# Altium PCB 小车PCB升级1.PcbDoc (part 2 of 4)
Units mm, origin at the board's own origin, x right, y up, seen from the top; angles counter-clockwise.
Board outline 300 x 206 mm, 2 copper layers (Top Layer, Bottom Layer); 354 components, 360 nets, 1479 pads, 401 vias.
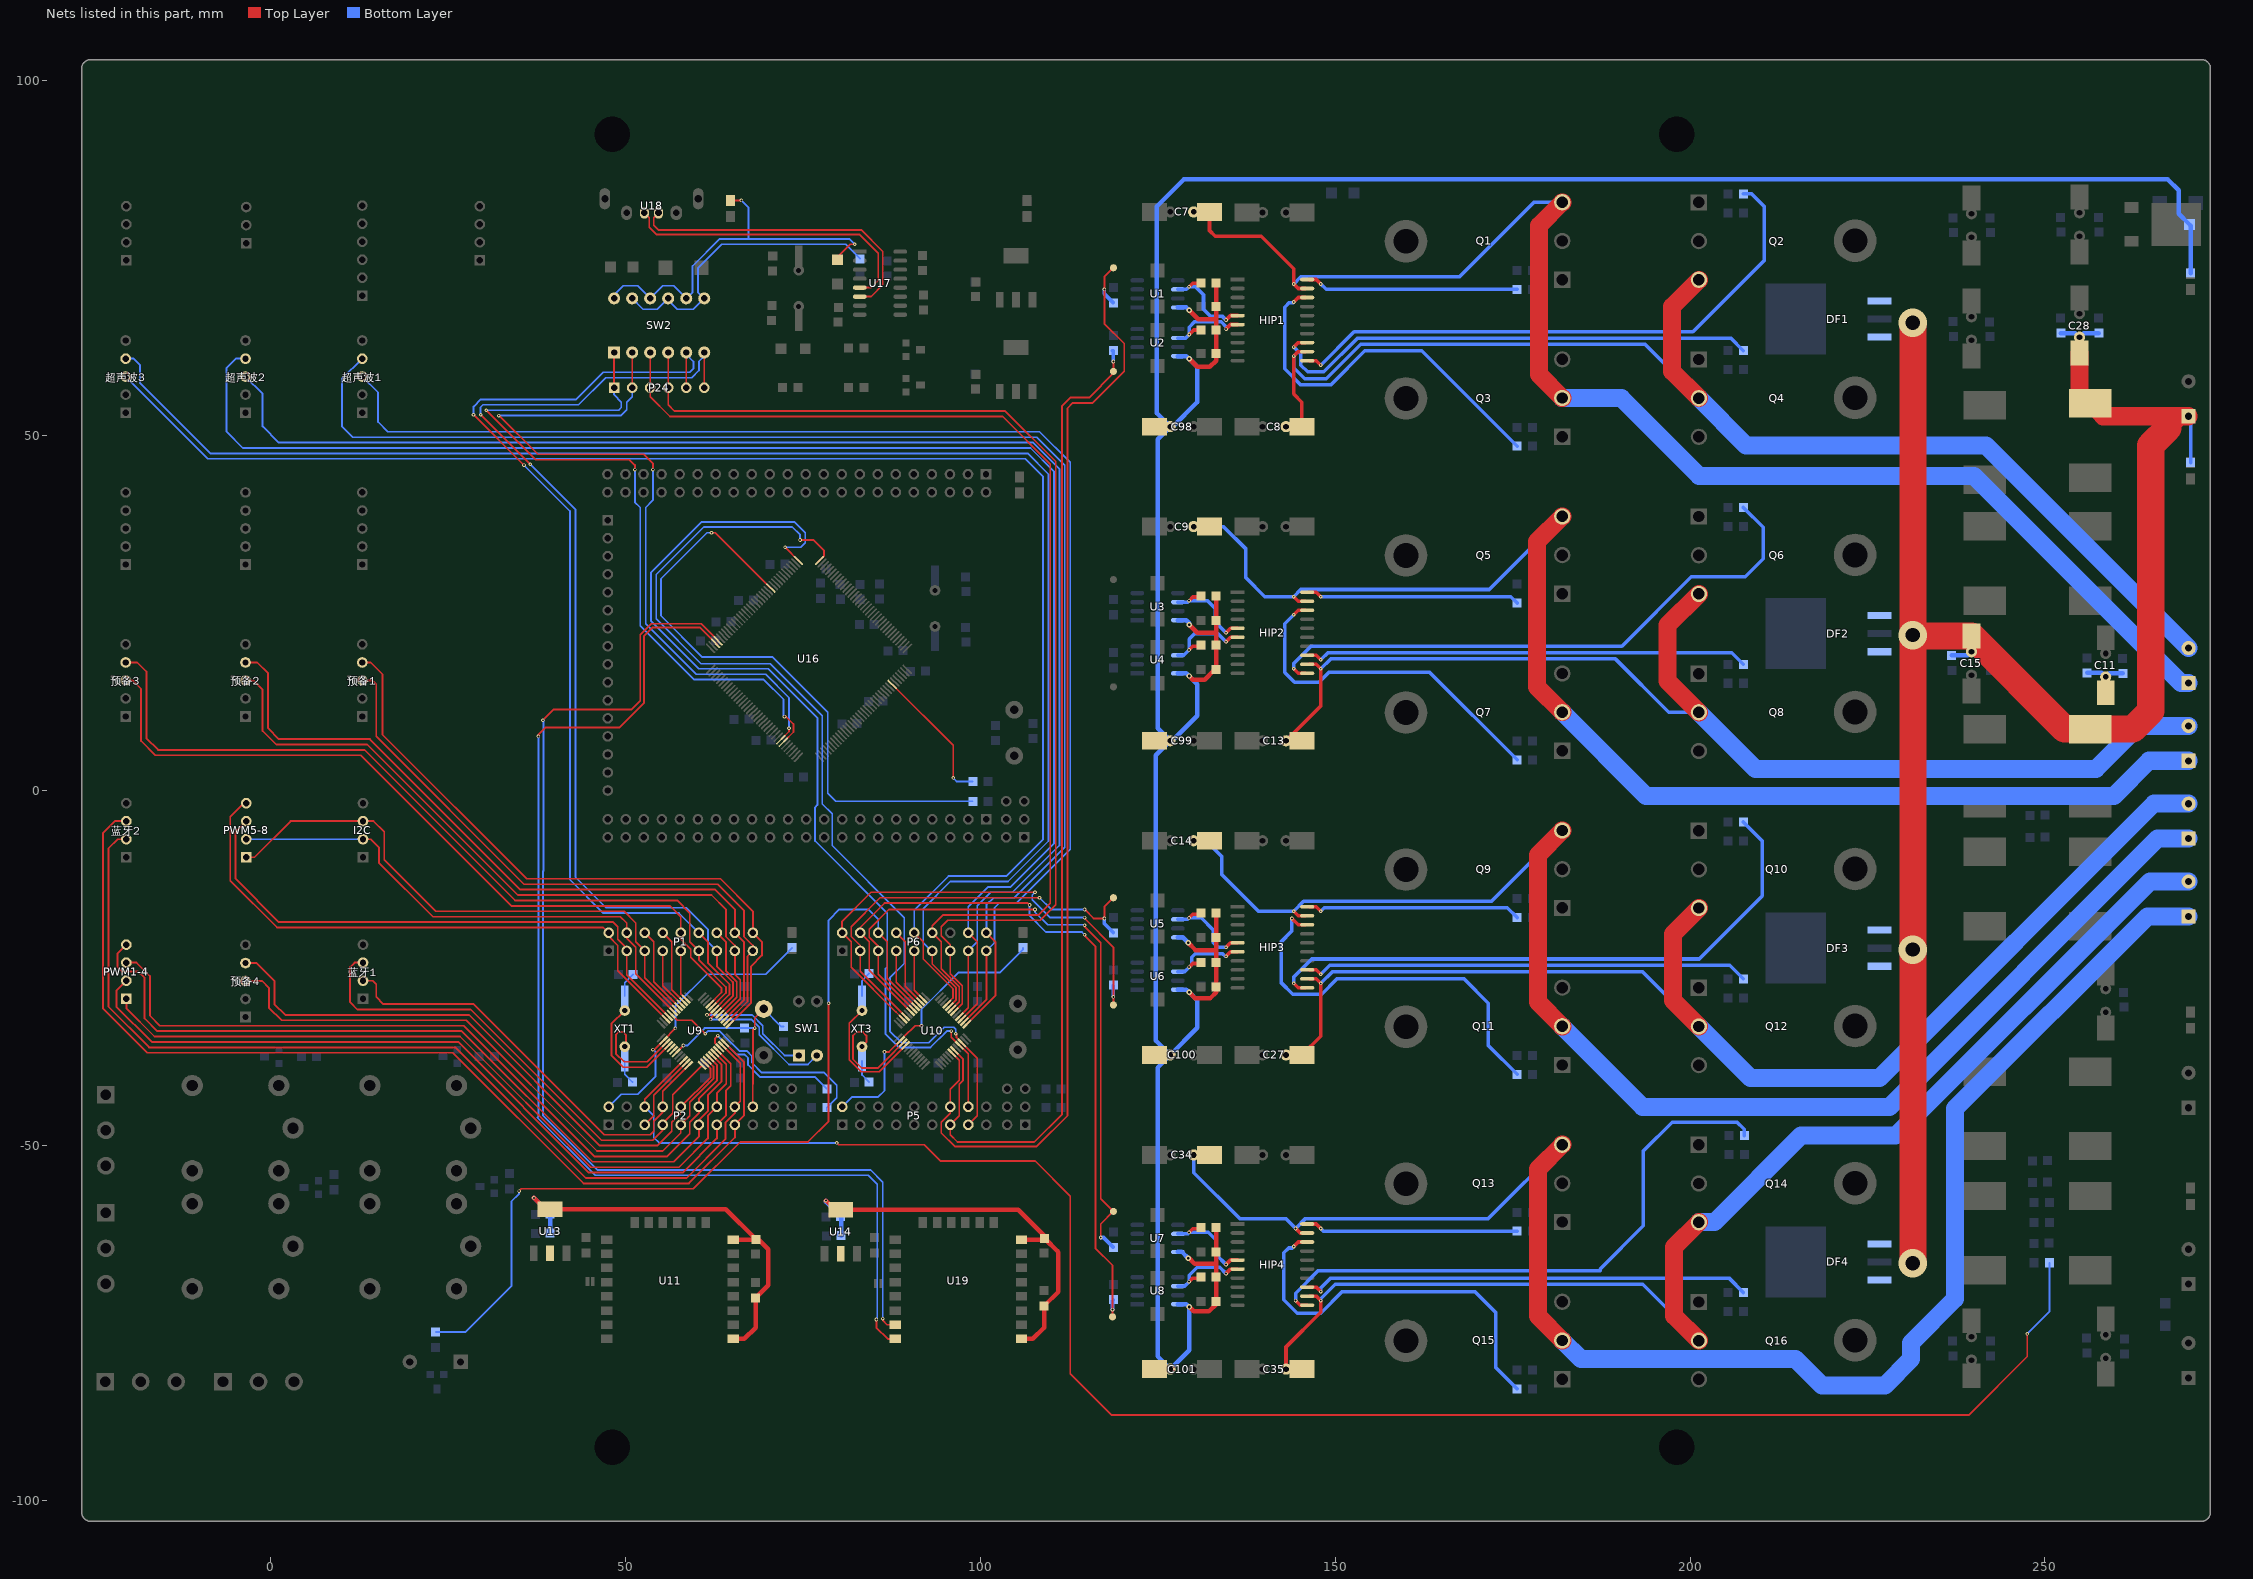
[diagram p2: the nets of this part, all layers, seen from the top]

## Via types
v1: diameter 0.508, hole 0.254, Top Layer to Bottom Layer, 231 vias
v2: diameter 0.762, hole 0.381, Top Layer to Bottom Layer, 119 vias
v3: diameter 3, hole 1.5, Top Layer to Bottom Layer, 29 vias
v4: diameter 6, hole 6, Top Layer to Bottom Layer, 8 vias
v5: diameter 4, hole 2, Top Layer to Bottom Layer, 8 vias
v6: diameter 1.27, hole 0.635, Top Layer to Bottom Layer, 2 vias
v7: diameter 0.381, hole 0.203, Top Layer to Bottom Layer, 1 vias
v8: diameter 2, hole 1, Top Layer to Bottom Layer, 1 vias
v9: diameter 0.762/0.635 (per signal layer), hole 0.381, Top Layer to Bottom Layer, 1 vias
v10: diameter 0.406, hole 0.203, Top Layer to Bottom Layer, 1 vias

## Nets (pads, with @x,y where several pads share a name; then routed paths per layer and width w, separated by ;. In a path a pad name is that pad's centre, name@x,y a point inside that pad or via, vN(x,y) a via of type N, cw(c..) or ccw(c..) an arc to the next point about the centre after c; other vN are vias at no path point) (continued)
1PA9: P6.13 P24.4 SW2.4 U10.30 | length 158.8
  Top Layer w0.254: SW2.4@56.007,61.722 P24.4@56.007,56.769 56.007,54.356 56.896,53.467 103.505,53.467 110.617,46.355 110.617,-16.129 108.458,-18.288 95.377,-18.288 94.488,-19.177 94.488,-20.447 95.758,-21.717 P6.13@95.758,-22.606 95.758,-25.835 97.434,-27.511 97.434,-30.056 U10.30@96.324,-31.166
1PA10: P6.12 P24.3 SW2.3 U10.31 | length 160.1
  Top Layer w0.254: SW2.3@53.467,61.722 P24.3@53.467,56.769 53.467,55.499 56.261,52.705 103.124,52.705 109.855,45.974 109.855,-15.87 108.199,-17.526 94.742,-17.526 93.218,-19.05 P6.12@93.218,-20.066 94.488,-21.336 94.488,-25.14 97.028,-27.68 97.028,-29.755 U10.31@95.971,-30.812
1PA11: P6.11 U10.32 超声波3.4 | length 227.8
  Top Layer w0.254: P6.11@93.218,-22.606 93.218,-24.444 96.571,-27.797 96.571,-29.505 U10.32@95.617,-30.459
  Bottom Layer w0.254: 超声波3.4@-20.453,60.859 -19.33,60.859 -18.415,59.944 -18.415,57.404 -8.509,47.498 106.68,47.498 109.601,44.577 109.601,-7.112 103.886,-12.827 95.758,-12.827 91.948,-16.637 91.948,-21.463 93.091,-22.606 P6.11@93.218,-22.606
1PA12: P6.10 U10.33 超声波3.3 | length 224.4
  Top Layer w0.254: P6.10@90.678,-20.066 91.948,-21.336 91.948,-23.749 96.139,-27.94 96.139,-29.23 U10.33@95.264,-30.105
  Bottom Layer w0.254: 超声波3.3@-20.447,58.332 -8.851,46.736 106.299,46.736 108.839,44.196 108.839,-6.858 103.632,-12.065 95.504,-12.065 90.678,-16.891 P6.10@90.678,-20.066
1PA15: P6.9 U10.38 | length 7.3
  Top Layer w0.254: P6.9@90.678,-22.606 90.678,-28.136 U10.38@91.94,-29.398
1PB0: P5.14 R1.1 T3.1 U10.18 | length 161.7
  Top Layer w0.254: U10.18@95.971,-36.964 97.028,-38.022 97.028,-40.822 95.758,-42.092 P5.14@95.758,-44.577 95.758,-45.466 94.488,-46.736 94.488,-48.26 96.388,-50.16 107.95,-50.16 112.268,-45.842 112.268,53.848 113.03,54.61 115.824,54.61 120.269,59.055 120.269,62.992 117.475,65.786 v1(117.475,70.612) 117.475,72.39 T3.1@118.745,73.66
  Bottom Layer w0.508: v1(117.475,70.612) 117.475,69.977 R1.1@118.745,68.707
1PB1: P5.13 R18.1 T4.1 U10.19 | length 143.3
  Top Layer w0.254: U10.19@96.324,-36.611 97.536,-37.823 97.536,-40.889 97.028,-41.397 97.028,-45.847 P5.13@95.758,-47.117 95.758,-48.514 96.774,-49.53 107.569,-49.53 111.506,-45.593 111.506,54.229 112.649,55.372 115.316,55.372 118.745,58.801 T4.1@118.745,59.055 v1(118.745,60.452)
  Bottom Layer w0.508: v1(118.745,60.452) 118.745,61.849 118.618,61.976 R18.1@118.745,61.976
1PB3: P6.8 U10.39 | length 11.1
  Top Layer w0.254: P6.8@88.138,-20.066 89.408,-21.336 89.408,-27.573 U10.39@91.587,-29.752
1PB4: P6.7 U10.40 | length 8.8
  Top Layer w0.254: P6.7@88.138,-22.606 88.138,-27.01 U10.40@91.233,-30.105
1PB5: P6.6 R82.1 U10.41 | length 125.9
  Top Layer w0.254: v1(34.989,-56.451) 35.306,-56.134 59.563,-56.134 66.167,-49.53 75.692,-49.53 78.613,-46.609 v1(78.613,-29.972) ; P6.6@85.598,-20.066 86.868,-21.336 86.868,-26.447 U10.41@90.879,-30.459
  Bottom Layer w0.254: R82.1@23.241,-76.327 27.432,-76.327 33.909,-69.85 33.909,-57.912 34.989,-56.832 v1(34.989,-56.451) ; v1(78.613,-29.972) 78.613,-18.288 80.137,-16.764 84.201,-16.764 85.598,-18.161 P6.6@85.598,-20.066
1PB6: P6.5 R53.1 T8.1 U10.42 | length 95.3
  Top Layer w0.254: U10.42@90.526,-30.812 85.598,-25.885 P6.5@85.598,-22.606 85.598,-21.971 84.328,-20.701 84.328,-19.558 87.122,-16.764 v1(107.696,-16.764) ; v1(114.681,-18.986) 114.681,-19.177 116.967,-21.463 116.967,-57.531 T8.1@118.745,-59.309 116.967,-61.087 v1(116.967,-62.992)
  Bottom Layer w0.254: v1(107.696,-16.764) 107.696,-17.145 109.474,-18.923 114.617,-18.923 v1(114.681,-18.986)
  Bottom Layer w0.508: v1(116.967,-62.992) 117.348,-62.992 R53.1@118.745,-64.389
1PB7: P6.4 R66.1 T7.1 U10.43 | length 107.5
  Top Layer w0.254: U10.43@90.172,-31.166 84.328,-25.322 84.328,-21.336 P6.4@83.058,-20.066 83.058,-19.304 86.487,-15.875 106.68,-15.875 v1(106.934,-16.129) ; v1(114.681,-20.32) 114.681,-20.447 116.205,-21.971 116.205,-64.516 118.618,-66.929 v1(118.618,-73.152) T7.1@118.618,-74.168
  Bottom Layer w0.254: v1(106.934,-16.129) 106.934,-17.653 109.22,-19.939 114.3,-19.939 v1(114.681,-20.32)
  Bottom Layer w0.508: v1(118.618,-73.152) 118.618,-71.882 R66.1@118.745,-71.755
1PB8: P6.3 R37.1 T6.1 U10.45 | length 60.5
  Top Layer w0.254: U10.45@89.465,-31.873 83.058,-25.466 P6.3@83.058,-22.606 83.058,-21.844 81.788,-20.574 81.788,-19.177 85.852,-15.113 v1(108.331,-15.113) ; v1(114.681,-16.764) 115.951,-18.034 v1(117.475,-18.034) 117.475,-16.383 T6.1@118.745,-15.113
  Bottom Layer w0.254: v1(108.331,-15.113) 109.982,-16.764 v1(114.681,-16.764)
  Bottom Layer w0.508: v1(117.475,-18.034) 117.475,-18.796 R37.1@118.745,-20.066
1PB9: P6.2 R50.1 T5.1 U10.46 | length 71.7
  Top Layer w0.254: U10.46@89.112,-32.227 89.112,-32.222 88.105,-31.215 88.1,-31.215 81.788,-24.903 81.788,-21.336 P6.2@80.518,-20.066 80.518,-18.415 84.582,-14.351 v1(107.696,-14.351) ; v1(114.681,-17.907) 114.681,-18.034 118.745,-22.098 v1(118.745,-29.083) T5.1@118.745,-30.099
  Top Layer w0.508: T5.1@118.745,-30.226 118.872,-30.226 T5.1@118.745,-30.099
  Bottom Layer w0.254: v1(107.696,-14.351) 107.315,-14.732 107.315,-15.367 109.855,-17.907 v1(114.681,-17.907)
  Bottom Layer w0.508: v1(118.745,-29.083) R50.1@118.745,-27.432
1PB10: P5.16 U10.21 U16.37 | length 140.1
  Top Layer w0.254: v1(72.473,34.29) U16.37@74.351,32.412 ; v1(95.885,-33.909) 95.885,-34.757 U10.21@97.031,-35.904 97.118,-35.904 98.298,-37.084 P5.16@98.298,-44.577
  Bottom Layer w0.254: v1(72.473,34.29) 74.676,34.29 75.311,34.925 75.311,36.322 73.787,37.846 60.706,37.846 53.594,30.734 53.594,23.876 60.325,17.145 70.104,17.145 77.025,10.223 77.025,-2.032 76.708,-2.349 76.708,-7.112 86.868,-17.272 86.868,-24.892 86.614,-25.146 86.614,-34.29 88.519,-36.195 92.972,-36.195 95.258,-33.909 v1(95.885,-33.909)
1PB11: P5.15 U10.22 U16.36 | length 141.8
  Top Layer w0.254: v1(74.593,35.306) 76.454,35.306 77.978,33.782 77.978,33.064 U16.36@77.326,32.412 U16.36@77.147,32.233 ; v1(96.52,-34.29) 96.619,-34.29 96.633,-34.304 96.633,-34.798 U10.22@97.385,-35.55 99.568,-37.733 99.568,-45.847 P5.15@98.298,-47.117
  Bottom Layer w0.254: v1(74.593,35.306) 74.593,36.024 73.489,37.128 61.004,37.128 54.312,30.436 54.312,24.174 60.622,17.864 70.401,17.864 77.724,10.541 77.724,-1.905 79.121,-3.302 79.121,-7.747 89.281,-17.907 89.281,-24.384 87.249,-26.416 87.249,-33.909 88.9,-35.56 92.71,-35.56 94.894,-33.376 96.241,-33.376 96.52,-33.655 v1(96.52,-34.29)
1PB12: P6.18 U10.25 超声波1.4 | length 202.7
  Top Layer w0.254: U10.25@98.092,-32.934 102.108,-28.918 102.108,-21.336 P6.18@100.838,-20.066
  Bottom Layer w0.254: 超声波1.4@12.89,60.859 10.033,58.002 10.033,51.308 11.557,49.784 107.95,49.784 111.887,45.847 111.887,-8.001 104.775,-15.113 101.854,-15.113 100.838,-16.129 P6.18@100.838,-20.066 P6.18@101.473,-20.066
1PB13: P6.17 U10.26 超声波1.3 | length 193.6
  Top Layer w0.254: U10.26@97.738,-32.58 100.838,-29.481 P6.17@100.838,-22.606
  Bottom Layer w0.254: 超声波1.3@12.896,58.332 15.113,56.115 15.113,51.943 16.51,50.546 108.331,50.546 112.649,46.228 112.649,-8.255 105.029,-15.875 102.616,-15.875 101.981,-16.51 101.981,-21.463 P6.17@100.838,-22.606
1PB14: P6.16 U10.27 超声波2.4 | length 216.6
  Top Layer w0.254: U10.27@97.385,-32.227 99.568,-30.043 99.568,-21.336 P6.16@98.298,-20.066
  Bottom Layer w0.254: 超声波2.4@-3.577,60.859 -4.927,60.859 -6.223,59.563 -6.223,50.546 -3.937,48.26 107.061,48.26 110.363,44.958 110.363,-7.493 104.267,-13.589 101.092,-13.589 98.298,-16.383 P6.16@98.298,-20.066
1PB15: P6.15 U10.28 超声波2.3 | length 207.6
  Top Layer w0.254: U10.28@97.031,-31.873 98.298,-30.606 P6.15@98.298,-22.606
  Bottom Layer w0.254: 超声波2.3@-3.571,58.332 -1.143,55.903 -1.143,51.308 1.143,49.022 107.442,49.022 111.125,45.339 111.125,-7.747 104.521,-14.351 101.473,-14.351 99.568,-16.256 99.568,-21.336 P6.15@98.298,-22.606
1PC13: P5.2 R70.2 U10.2 | length 38.8
  Top Layer w0.254: v1(86.487,-36.83) 87.125,-36.83 U10.2@88.758,-35.196 ; U10.2@89.223,-34.729 90.805,-33.147 v1(91.694,-33.147)
  Bottom Layer w0.254: P5.2@80.518,-44.577 81.915,-43.18 85.598,-43.18 86.487,-42.291 v1(86.487,-36.83) ; v1(91.694,-33.147) 91.694,-30.861 96.901,-25.654 102.743,-25.654 106.015,-22.382 R70.2@106.015,-22.15
1PC14: C49.2 U10.3 XT3.1 | length 20
  Top Layer w0.254: XT3.1@83.312,-36.093 83.934,-35.471 83.934,-34.531 83.439,-34.036 82.55,-34.036 82.042,-34.544 82.042,-37.846 83.312,-39.116 85.546,-39.116 87.578,-37.084 87.589,-37.084 87.887,-36.786 87.887,-36.775 U10.3@89.112,-35.55
  Bottom Layer w0.254: XT3.1@83.312,-38.075 83.312,-40.081 C49.2@84.328,-41.097
1PC15: C55.2 U10.4 XT3.2 | length 21.5
  Top Layer w0.254: XT3.2@83.312,-31.013 81.509,-32.817 81.509,-37.948 83.185,-39.624 85.745,-39.624 U10.4@89.465,-35.904
  Bottom Layer w0.254: XT3.2@83.312,-29.007 83.312,-26.797 C55.2@84.328,-25.781
1W2PA9: P1.13 P24.6 SW1.2 SW2.6 U9.30 | length 168.4
  Top Layer w0.254: v1(29.591,52.959) v1(36.576,45.974) ; P24.6@61.087,56.769 SW2.6@61.087,61.722 ; v1(61.976,-32.258) 61.976,-32.113 U9.30@62.923,-31.166 65.151,-28.938 65.151,-27.051 65.08,-26.98 65.068,-26.98 62.865,-24.777 P1.13@62.865,-22.606
  Bottom Layer w0.254: v1(29.591,52.959) 29.558,52.992 29.558,54.008 29.907,54.356 43.369,54.356 47.179,58.166 59.309,58.166 60.325,59.182 60.325,60.452 61.087,61.214 SW2.6@61.087,61.722 ; v1(36.576,45.974) 42.926,39.624 42.926,-12.192 47.244,-16.51 58.547,-16.51 61.595,-19.558 61.595,-21.336 P1.13@62.865,-22.606 ; v1(61.976,-32.258) 67.734,-32.258 68.834,-33.358 68.834,-34.412 73.03,-38.608 75.692,-38.608 SW1.2@76.962,-37.338
1W2PA10: P1.12 P24.5 SW1.1 SW2.5 U9.31 | length 165.2
  Top Layer w0.254: v1(28.575,52.959) v1(35.687,45.847) ; P24.5@58.547,56.769 SW2.5@58.547,61.722 ; P1.12@60.325,-20.066 61.595,-21.336 61.595,-24.257 64.643,-27.305 64.643,-28.739 U9.31@62.57,-30.812 61.759,-31.623 v1(61.468,-31.623)
  Bottom Layer w0.254: v1(28.575,52.959) 28.575,54.102 29.591,55.118 43.053,55.118 46.863,58.928 59.055,58.928 59.563,59.436 59.563,60.452 58.547,61.468 SW2.5@58.547,61.722 ; v1(35.687,45.847) 42.164,39.37 42.164,-12.573 46.863,-17.272 57.531,-17.272 P1.12@60.325,-20.066 ; v1(61.468,-31.623) 67.818,-31.623 69.342,-33.147 69.342,-34.29 72.39,-37.338 SW1.1@74.422,-37.338
1WPA9: P24.2 SW2.2 U16.101 | length 105
  Top Layer w0.254: v1(32.131,52.832) 32.131,52.894 37.654,47.371 52.578,47.371 53.848,46.101 v1(53.848,45.212) ; P24.2@50.927,56.769 SW2.2@50.927,61.722 ; U16.101@72.056,7.342 73.025,8.312 v1(73.025,8.763)
  Bottom Layer w0.254: v1(32.131,52.832) 49.338,52.832 50.165,53.659 50.165,54.737 50.927,55.499 P24.2@50.927,56.769 ; v1(53.848,45.212) 53.848,40.894 52.832,39.878 52.832,23.495 59.944,16.383 69.723,16.383 73.025,13.081 v1(73.025,8.763)
1WPA10: P24.1 SW2.1 U16.102 | length 106
  Top Layer w0.254: v1(30.353,53.594) 37.338,46.609 50.546,46.609 51.308,45.847 v1(51.308,45.212) ; P24.1@48.387,56.769 SW2.1@48.387,61.722 ; v1(72.39,10.414) 72.6,10.414 73.66,9.354 73.66,8.24 U16.102@72.409,6.989
  Bottom Layer w0.254: v1(30.353,53.594) 49.022,53.594 49.403,53.975 49.403,54.737 48.387,55.753 P24.1@48.387,56.769 ; v1(51.308,45.212) 51.308,40.64 52.07,39.878 52.07,23.241 59.69,15.621 69.469,15.621 72.263,12.827 72.263,10.541 v1(72.39,10.414)
1WRXD: R93.1 SW2.7 SW2.9 SW2.11 | length 42.9
  Top Layer w0.508: SW2.9@56.007,68.961 SW2.9@56.007,69.342
  Bottom Layer w0.254: SW2.11@50.927,69.342 52.451,67.818 54.483,67.818 SW2.9@56.007,69.342 56.007,69.088 57.277,67.818 59.563,67.818 SW2.7@61.087,69.342 60.198,70.231 60.198,73.598 63.562,76.962 81.017,76.962 R93.1@83.058,74.921
1WTXD: D10.1 LED11.2 SW2.8 SW2.10 SW2.12 | length 55.3
  Top Layer w0.254: SW2.12@48.387,69.342 SW2.12@48.387,69.85 ; SW2.8@58.547,69.469 SW2.8@58.547,69.342 SW2.8@59.182,69.342 ; LED11.2@64.795,83.16 v1(66.319,83.16) ; D10.1@79.883,74.803 79.883,75.184 81.661,76.962 v1(82.296,76.962)
  Bottom Layer w0.254: SW2.12@48.387,69.342 48.387,69.85 49.657,71.12 51.689,71.12 SW2.10@53.467,69.342 55.245,71.12 56.769,71.12 SW2.8@58.547,69.342 59.436,70.231 59.436,73.914 63.246,77.724 67.31,77.724 ; v1(66.319,83.16) 67.31,82.169 67.31,77.724 ; v1(82.296,76.962) 81.534,77.724 67.31,77.724
2BOOT0: R76.2 U9.44 | length 32.5
  Top Layer w0.254: U9.44@56.418,-31.52 57.283,-32.385 59.309,-32.385 v1(61.214,-34.29)
  Bottom Layer w0.254: v1(61.214,-34.29) 61.595,-33.909 63.246,-33.909 66.04,-36.703 67.056,-36.703 67.818,-37.465 67.818,-38.354 69.215,-39.751 77.978,-39.751 79.756,-41.529 79.756,-43.307 R76.2@78.359,-44.704 R76.2@78.359,-45.085
2BOOT1: R77.1 U9.20 | length 21.2
  Top Layer w0.254: v1(62.992,-34.544) 62.611,-34.925 62.611,-35.591 U9.20@63.277,-36.257
  Bottom Layer w0.254: v1(62.992,-34.544) 65.659,-37.211 66.802,-37.211 67.246,-37.655 67.246,-38.672 68.961,-40.386 76.708,-40.386 R77.1@78.359,-42.037
2NRST: C51.1 key1.1 P2.18 R74.1 U9.7 | length 30.8
  Top Layer w0.254: U9.7@57.125,-36.964 v1(58.148,-35.941) ; P2.18@67.945,-44.577 67.92,-44.552 67.92,-41.382 67.945,-41.357 67.945,-37.925 67.94,-37.919 67.94,-36.653 67.945,-36.647 67.945,-33.731 v1(68.199,-33.477) 68.199,-32.056 key1.1@69.469,-30.786
  Bottom Layer w0.254: v1(58.148,-35.941) 58.674,-35.941 61.138,-33.477 C51.1@66.751,-33.477 v1(68.199,-33.477) ; key1.1@69.469,-30.786 71.957,-33.274 R74.1@72.263,-33.274
2OSCIN: U9.5
2OSCOUT: U9.6
2PA0: P2.6 R72.2 U9.10 | length 256.1
  Top Layer w0.254: P2.6@52.705,-44.577 52.705,-43.505 U9.10@58.186,-38.025 ; v1(79.756,-49.657) 80.01,-49.911 92.075,-49.911 94.361,-52.197 107.696,-52.197 112.649,-57.15 112.649,-82.169 118.491,-88.011 239.268,-88.011 247.523,-79.756 v1(247.523,-76.581)
  Bottom Layer w0.254: P2.6@52.705,-44.577 53.975,-45.847 53.975,-48.895 54.737,-49.657 v1(79.756,-49.657) v1@79.883,-49.657 ; v1(247.523,-76.581) 250.638,-73.466 R72.2@250.638,-66.548
2PA1: P2.5 U9.11 | length 11.2
  Top Layer w0.254: P2.5@52.705,-47.117 53.975,-45.847 53.975,-42.943 U9.11@58.539,-38.378
2PA2: P2.8 U9.12 蓝牙1.2 | length 62.5
  Top Layer w0.254: 蓝牙1.2@12.996,-26.797 14.351,-26.797 14.859,-27.305 14.859,-29.083 15.875,-30.099 28.575,-30.099 46.99,-48.514 53.467,-48.514 53.975,-48.006 53.975,-46.609 55.245,-45.339 P2.8@55.245,-44.577 55.245,-42.38 U9.12@58.893,-38.732
2PA3: P2.7 U9.13 蓝牙1.3 | length 71.2
  Top Layer w0.254: 蓝牙1.3@12.996,-24.257 11.811,-24.257 11.176,-24.892 11.176,-29.845 12.192,-30.861 28.194,-30.861 46.609,-49.276 53.848,-49.276 55.245,-47.879 P2.7@55.245,-47.117 55.245,-46.863 56.642,-45.466 56.642,-42.892 U9.13@60.802,-38.732
2PA4: P2.10 U9.14 预备4.4 | length 85.7
  Top Layer w0.254: 预备4.4@-3.562,-24.315 -1.974,-24.315 0.508,-26.797 0.508,-30.099 2.032,-31.623 27.94,-31.623 46.355,-50.038 54.483,-50.038 56.515,-48.006 56.515,-46.736 57.785,-45.466 P2.10@57.785,-44.577 61.976,-40.386 61.976,-39.199 U9.14@61.155,-38.378
2PA5: P2.9 U9.15 预备4.3 | length 86.5
  Top Layer w0.254: 预备4.3@-3.556,-26.842 -1.225,-26.842 -0.254,-27.813 -0.254,-30.607 1.524,-32.385 27.559,-32.385 45.974,-50.8 55.245,-50.8 57.785,-48.26 P2.9@57.785,-47.117 59.055,-45.847 59.055,-43.942 62.382,-40.615 62.382,-38.898 U9.15@61.509,-38.025
2PA6: P2.12 PWM1-4.3 U9.16 | length 108
  Top Layer w0.254: PWM1-4.3@-20.347,-24.257 -18.923,-24.257 -17.018,-26.162 -17.018,-31.75 -15.621,-33.147 27.178,-33.147 45.593,-51.562 55.88,-51.562 59.055,-48.387 59.055,-46.736 60.325,-45.466 P2.12@60.325,-44.577 60.325,-43.434 62.865,-40.894 62.865,-38.674 U9.16@61.863,-37.671
2PA7: P2.11 PWM1-4.4 U9.17 | length 115.1
  Top Layer w0.254: PWM1-4.4@-20.347,-21.717 -21.59,-22.96 -21.59,-24.892 -20.955,-25.527 -18.669,-25.527 -17.78,-26.416 -17.78,-32.131 -16.002,-33.909 26.924,-33.909 45.339,-52.324 56.769,-52.324 60.325,-48.768 P2.11@60.325,-47.117 60.325,-46.482 61.595,-45.212 61.595,-42.926 63.5,-41.021 63.5,-38.602 U9.17@62.216,-37.318
2PA8: P1.14 U9.29 | length 13.6
  Top Layer w0.254: P1.14@62.865,-20.066 64.135,-21.336 64.135,-25.4 65.659,-26.924 65.659,-29.137 U9.29@63.277,-31.52
2PA11: P1.11 U9.32 预备3.4 | length 115.7
  Top Layer w0.254: 预备3.4@-20.453,18.041 -18.803,18.041 -17.526,16.764 -17.526,7.366 -15.875,5.715 13.208,5.715 34.417,-15.494 57.277,-15.494 59.055,-17.272 59.055,-21.336 P1.11@60.325,-22.606 60.325,-23.876 64.137,-27.688 64.137,-28.538 U9.32@62.216,-30.459
2PA12: P1.10 U9.33 预备3.3 | length 111.7
  Top Layer w0.254: 预备3.3@-20.447,15.513 -19.45,15.513 -18.288,14.351 -18.288,6.985 -16.256,4.953 12.7,4.953 33.909,-16.256 56.261,-16.256 57.785,-17.78 P1.10@57.785,-20.066 57.785,-20.955 59.182,-22.352 59.182,-23.495 63.5,-27.813 63.5,-28.468 U9.33@61.863,-30.105
2PA15: P1.9 U9.38 | length 7.1
  Top Layer w0.254: P1.9@57.785,-22.606 57.785,-28.644 U9.38@58.539,-29.398
2PB0: P2.14 PWM1-4.1 U9.18 | length 108.1
  Top Layer w0.254: PWM1-4.1@-20.347,-29.337 -20.347,-30.707 -16.383,-34.671 26.67,-34.671 45.085,-53.086 57.531,-53.086 61.595,-49.022 61.595,-45.847 P2.14@62.865,-44.577 62.865,-42.672 64.198,-41.338 64.198,-38.593 U9.18@62.57,-36.964
2PB1: P2.13 PWM1-4.2 U9.19 | length 114.6
  Top Layer w0.254: PWM1-4.2@-20.347,-26.797 -21.744,-28.194 -21.744,-30.453 -16.764,-35.433 26.416,-35.433 44.831,-53.848 58.039,-53.848 62.865,-49.022 P2.13@62.865,-47.117 64.135,-45.847 64.135,-42.291 64.833,-41.593 64.833,-38.521 U9.19@62.923,-36.611
2PB3: P1.8 U9.39 | length 10.9
  Top Layer w0.254: P1.8@55.245,-20.066 56.515,-21.336 56.515,-28.081 U9.39@58.186,-29.752
2PB4: P1.7 U9.40 | length 8.6
  Top Layer w0.254: P1.7@55.245,-22.606 55.245,-27.504 U9.40@57.832,-30.091 ; U9.40@57.832,-30.105 U9.40@57.832,-30.091 ; U9.40@57.839,-30.098 U9.40@57.832,-30.091
2PB5: P1.6 U9.41 | length 12.4
  Top Layer w0.254: P1.6@52.705,-20.066 53.975,-21.336 53.975,-26.941 U9.41@57.478,-30.445 ; U9.41@57.478,-30.459 U9.41@57.478,-30.445 ; U9.41@57.486,-30.452 U9.41@57.478,-30.445
2PB6: I2C.3 P1.5 PWM5-8.1 U9.42 | length 79.8
  Top Layer w0.254: PWM5-8.1@-3.456,-9.398 -2.286,-9.398 2.794,-4.318 I2C.3@12.996,-4.318 14.478,-4.318 16.002,-5.842 16.002,-9.779 23.241,-17.018 49.784,-17.018 51.435,-18.669 51.435,-21.336 P1.5@52.705,-22.606 52.705,-26.378 U9.42@57.125,-30.798 ; U9.42@57.125,-30.812 U9.42@57.125,-30.798 ; U9.42@57.132,-30.805 U9.42@57.125,-30.798
2PB7: I2C.2 P1.4 PWM5-8.2 U9.43 | length 75
  Top Layer w0.254: I2C.2@12.996,-6.858 14.097,-6.858 15.24,-8.001 15.24,-10.16 22.86,-17.78 49.276,-17.78 50.165,-18.669 P1.4@50.165,-20.066 50.165,-20.828 51.435,-22.098 51.435,-25.815 54.83,-29.21 54.83,-29.224 U9.43@56.771,-31.166
  Bottom Layer w0.254: PWM5-8.2@-3.456,-6.858 I2C.2@12.996,-6.858
2PB8: P1.3 PWM5-8.3 U9.45 | length 81
  Top Layer w0.254: PWM5-8.3@-3.456,-4.318 -4.953,-5.815 -4.953,-12.446 1.143,-18.542 48.26,-18.542 48.895,-19.177 48.895,-20.955 50.165,-22.225 P1.3@50.165,-22.606 50.165,-25.96 56.064,-31.859 U9.45@56.064,-31.873
2PB9: P1.2 PWM5-8.4 U9.46 | length 84.7
  Top Layer w0.254: PWM5-8.4@-3.456,-1.778 -3.81,-1.778 -5.715,-3.683 -5.715,-12.7 0.889,-19.304 46.863,-19.304 P1.2@47.625,-20.066 47.625,-20.569 48.895,-21.839 48.895,-25.397 U9.46@56.226,-32.728
2PB10: P2.16 U9.21 蓝牙2.2 | length 139.7
  Top Layer w0.254: 蓝牙2.2@-20.347,-6.858 -21.59,-6.858 -22.86,-8.128 -22.86,-30.48 -17.145,-36.195 25.97,-36.195 44.385,-54.61 58.612,-54.61 64.073,-49.149 64.073,-46.798 65.405,-45.466 P2.16@65.405,-44.577 66.167,-43.815 66.167,-38.44 U9.21@63.63,-35.904
2PB11: P2.15 U9.22 蓝牙2.3 | length 145.6
  Top Layer w0.254: 蓝牙2.3@-20.347,-4.318 -21.971,-4.318 -23.622,-5.969 -23.622,-30.734 -17.399,-36.957 25.654,-36.957 44.069,-55.372 58.928,-55.372 65.405,-48.895 P2.15@65.405,-47.117 66.675,-45.847 66.675,-38.241 U9.22@63.984,-35.55
2PB12: P1.18 U9.25 预备1.4 | length 92.9
  Top Layer w0.254: 预备1.4@12.89,18.041 14.09,18.041 15.748,16.383 15.748,7.874 36.068,-12.446 63.373,-12.446 67.945,-17.018 P1.18@67.945,-20.066 69.215,-21.336 69.215,-23.241 67.691,-24.765 67.691,-29.934 U9.25@64.691,-32.934
2PB13: P1.17 U9.26 预备1.3 | length 89.2
  Top Layer w0.254: 预备1.3@12.896,15.513 14.332,15.513 14.859,14.986 14.859,7.62 35.687,-13.208 62.992,-13.208 66.675,-16.891 66.675,-20.574 67.945,-21.844 P1.17@67.945,-22.606 67.183,-23.368 67.183,-29.735 U9.26@64.337,-32.58
2PB14: P1.16 U9.27 预备2.4 | length 105
  Top Layer w0.254: 预备2.4@-3.562,18.041 -1.912,18.041 -0.381,16.51 -0.381,8.763 1.143,7.239 13.97,7.239 35.179,-13.97 62.611,-13.97 65.405,-16.764 P1.16@65.405,-20.066 66.675,-21.336 66.675,-29.535 U9.27@63.984,-32.227
2PB15: P1.15 U9.28 预备2.3 | length 101.5
  Top Layer w0.254: 预备2.3@-3.556,15.513 -2.432,15.513 -1.143,14.224 -1.143,8.382 0.762,6.477 13.589,6.477 34.798,-14.732 62.103,-14.732 64.135,-16.764 64.135,-20.574 65.405,-21.844 P1.15@65.405,-22.606 65.405,-25.908 66.167,-26.67 66.167,-29.336 U9.28@63.63,-31.873
2PC13: P2.2 R69.2 U9.2 | length 39.9
  Top Layer w0.254: v1(53.848,-36.512) 53.848,-36.576 53.978,-36.576 U9.2@55.357,-35.197 v1(57.026,-33.528)
  Bottom Layer w0.254: P2.2@47.625,-44.577 49.403,-42.799 51.689,-42.799 54.229,-40.259 54.229,-36.83 53.911,-36.512 v1(53.848,-36.512) ; v1(57.026,-33.528) 57.026,-30.35 61.468,-25.908 69.723,-25.908 R69.2@73.481,-22.15
2PC14: C47.2 U9.3 XT1.1 | length 18.4
  Top Layer w0.254: XT1.1@49.886,-36.093 50.038,-35.941 50.038,-34.417 49.657,-34.036 49.022,-34.036 48.641,-34.417 48.641,-37.084 49.784,-38.227 53.034,-38.227 U9.3@55.711,-35.55
  Bottom Layer w0.203: XT1.1@49.886,-36.093 XT1.1@50.063,-36.093
  Bottom Layer w0.254: XT1.1@49.886,-38.075 49.886,-40.005 C47.2@50.978,-41.097
2PC15: C53.2 U9.4 XT1.2 | length 20.7
  Top Layer w0.254: XT1.2@49.886,-31.013 48.006,-32.893 48.006,-37.338 49.657,-38.989 52.979,-38.989 U9.4@56.064,-35.904
  Bottom Layer w0.254: XT1.2@49.886,-29.007 49.886,-27.076 C53.2@51.054,-25.908
+5V: C98.1 C99.1 C100.1 C101.1 FU1.2 R2.1 R3.1 R15.2 R19.1 R20.1 R22.1 R23.1 R35.1 R36.1 R38.1 R39.1 R51.1 R52.1 R54.1 R55.1 R67.1 R68.1 U1.8 U2.8 U3.8 U4.8 U5.8 U6.8 U7.8 U8.8 | length 464.8
  Top Layer w0.635: v2(129.286,-65.913) 129.413,-65.913 130.175,-66.675 133.223,-66.675 ; v2(129.286,-21.463) 130.302,-22.479 133.223,-22.479 ; v2(129.413,-72.771) 130.048,-73.406 132.207,-73.406 133.223,-72.39 R67.1@133.223,-72.007 R68.1@133.223,-68.537 133.223,-66.675 ; v2(129.413,-28.448) 130.213,-29.248 132.423,-29.248 133.223,-28.448 R51.1@133.223,-27.684 R52.1@133.223,-24.214 133.223,-22.479 ; v2(129.413,16.129) 129.921,15.621 131.602,15.621 132.999,17.018 R35.1@133.223,17.018 R36.1@133.223,20.488 133.223,22.225 ; v2(129.413,23.368) 130.556,22.225 133.223,22.225 ; v2(129.413,60.833) 130.556,59.69 132.334,59.69 133.223,60.579 R19.1@133.223,61.595 R20.1@133.223,64.896 133.223,66.421 ; v2(129.413,67.691) 130.683,66.421 133.223,66.421 ; R55.1@133.223,-61.598 R54.1@133.223,-65.067 133.223,-66.675 ; R39.1@133.223,-17.275 R38.1@133.223,-20.744 133.223,-22.479 ; R23.1@133.223,27.429 R22.1@133.223,23.959 133.223,22.225 ; R3.1@133.223,71.498 R2.1@133.223,68.197 133.223,66.421
  Bottom Layer w0.635: U8.8@127.825,-72.39 129.032,-72.39 v2(129.413,-72.771) 129.413,-78.867 C101.1@126.746,-81.534 124.968,-79.756 124.968,-39.043 C100.1@126.746,-37.265 ; U7.8@127.825,-65.024 128.397,-65.024 v2(129.286,-65.913) ; U6.8@127.825,-28.067 129.032,-28.067 v2(129.413,-28.448) 130.556,-29.591 130.556,-33.455 C100.1@126.746,-37.265 ; U5.8@127.825,-20.701 128.524,-20.701 v2(129.286,-21.463) ; U4.8@127.825,16.51 129.032,16.51 v2(129.413,16.129) 130.556,14.986 130.556,10.541 127.018,7.003 C99.1@126.746,7.003 ; U3.8@127.825,24.003 129.001,24.003 129.413,23.591 v2(129.413,23.368) ; U2.8@127.825,61.214 129.032,61.214 v2(129.413,60.833) 130.556,59.69 130.556,54.737 127.091,51.272 C98.1@126.746,51.272 ; U1.8@127.825,68.072 129.032,68.072 v2(129.413,67.691) ; R15.2@270.535,72.898 270.535,79.604 FU1.2@270.383,79.756 268.859,81.28 268.859,84.582 267.335,86.106 128.651,86.106 124.879,82.334 124.879,53.139 C98.1@126.746,51.272 ; C100.1@126.746,-37.265 124.714,-35.233 124.714,4.971 C99.1@126.746,7.003 ; C99.1@126.746,7.003 124.968,8.781 124.968,49.494 C98.1@126.746,51.272
+12V: C10.2 C11.2 C12.2 C15.2 C16.2 C17.2 C28.2 C29.2 C30.2 DF1.1 DF1.3 DF2.1 DF2.3 DF3.1 DF3.3 DF4.1 DF4.3 H1.1 L1.1 L9.1 R14.2 | length 262
  Top Layer w2.54: C28.2@254.889,61.65 254.889,56.075 L9.1@256.419,54.545 258.226,52.738 269.019,52.738 ; 267.335,51.054 269.019,52.738 ; H1.1@270.256,52.738 269.019,52.738
  Top Layer w3.81: v5(231.394,-66.621) v5(231.394,-22.425) v5(231.394,21.898) ; v5(231.394,65.913) v5(231.394,21.898) ; 267.335,51.054 264.922,48.641 264.922,11.176 262.382,8.636 L1.1@256.419,8.636 252.802,8.636 C15.2@239.649,21.789 231.503,21.789 v5(231.394,21.898)
  Bottom Layer w0.508: H1.1@270.256,52.738 270.535,52.459 R14.2@270.535,46.203
  Bottom Layer w0.635: C16.2@236.855,19.025 239.12,19.025 C15.2@239.649,19.554 240.229,18.974 C17.2@242.265,18.974 ; C30.2@252.273,64.465 254.309,64.465 C28.2@254.889,63.885 255.469,64.465 C29.2@257.607,64.465 ; C12.2@255.956,16.586 257.992,16.586 C11.2@258.572,16.006 259.076,16.51 C10.2@260.985,16.51
AH0: HIP1.11 R5.2 | length 81.8
  Top Layer w0.508: HIP1.11@146.325,60.579 147.32,60.579 v1(147.955,59.944)
  Bottom Layer w0.508: v1(147.955,59.944) 152.654,64.643 200.406,64.643 210.439,74.676 210.439,82.296 208.661,84.074 R5.2@207.518,84.074
AH1: HIP2.11 R25.2 | length 83.3
  Top Layer w0.508: v1(144.145,17.143) 144.78,16.508 HIP2.11@145.775,16.508
  Bottom Layer w0.508: v1(144.145,17.143) 144.145,17.907 146.583,20.345 190.398,20.345 200.152,30.099 207.772,30.099 210.312,32.639 210.312,37.084 R25.2@207.518,39.878
AH2: HIP3.11 R41.2 | length 85.1
  Top Layer w0.508: v1(144.145,-27.178) 144.78,-27.813 HIP3.11@145.775,-27.813
  Bottom Layer w0.508: v1(144.145,-27.178) 144.145,-26.289 146.685,-23.749 201.295,-23.749 210.185,-14.859 210.185,-7.112 R41.2@207.518,-4.445
AH3: HIP4.11 R57.2 | length 83.8
  Top Layer w0.508: v1(144.42,-71.882) 145.055,-72.517 HIP4.11@146.05,-72.517
  Bottom Layer w0.508: v1(144.42,-71.882) 144.42,-70.845 147.574,-67.691 187.325,-67.691 187.325,-67.437 193.421,-61.341 193.421,-50.8 197.485,-46.736 206.629,-46.736 207.645,-47.752 R57.2@207.645,-48.641
AHS0: C8.2 HIP1.12 M1.2 Q2.3 Q4.2 | length 180.3
  Top Layer w0.508: C8.2@145.3,51.272 145.3,54.725 144.145,55.88 v1(144.145,61.214) 144.78,61.849 HIP1.12@145.775,61.849
  Top Layer w2.54: Q4.2@201.244,55.285 197.485,59.044 197.485,68.21 Q2.3@201.244,71.969
  Bottom Layer w0.508: v1(144.145,61.214) 144.145,59.563 145.694,58.014 148.737,58.014 153.588,62.865 193.664,62.865 Q4.2@201.244,55.285
  Bottom Layer w2.54: Q4.2@201.244,55.285 207.888,48.641 241.681,48.641 M1.2@270.256,20.066
AHS1: C13.2 HIP2.12 M2.2 Q6.3 Q8.2 | length 166.2
  Top Layer w0.508: C13.2@143.065,7.003 147.955,11.893 v1(147.955,17.143) 147.32,17.778 HIP2.12@146.325,17.778
  Top Layer w2.54: Q8.2@201.244,11.016 196.85,15.411 196.85,23.306 Q6.3@201.244,27.701
  Bottom Layer w0.508: v1(147.955,17.143) 149.354,18.542 189.484,18.542 197.01,11.016 Q8.2@201.244,11.016
  Bottom Layer w2.54: Q8.2@201.244,11.016 209.213,3.048 257.175,3.048 263.229,9.102 M2.2@270.256,9.102
AHS2: C27.2 HIP3.12 M3.2 Q10.3 Q12.2 | length 178
  Top Layer w0.508: C27.2@145.3,-37.265 147.955,-34.61 v1(147.955,-27.178) 147.32,-26.543 HIP3.12@146.325,-26.543
  Top Layer w2.54: Q12.2@201.244,-33.252 197.612,-29.62 197.612,-20.2 Q10.3@201.244,-16.568
  Bottom Layer w0.508: v1(147.955,-27.178) 149.606,-25.527 193.294,-25.527 201.019,-33.252 Q12.2@201.244,-33.252
  Bottom Layer w2.54: Q12.2@201.244,-33.252 208.505,-40.513 226.695,-40.513 265.345,-1.863 M3.2@270.256,-1.863
AHS3: C35.2 HIP4.12 M4.2 Q14.3 Q16.2 | length 179.7
  Top Layer w0.508: C35.2@143.065,-81.534 143.065,-78.423 147.955,-73.533 v1(147.955,-71.882) 147.32,-71.247 HIP4.12@146.325,-71.247
  Top Layer w2.54: Q16.2@201.244,-77.521 197.739,-74.016 197.739,-64.342 Q14.3@201.244,-60.837
  Bottom Layer w0.508: v1(147.955,-71.882) 147.955,-71.628 149.987,-69.596 193.319,-69.596 Q16.2@201.244,-77.521
  Bottom Layer w2.54: Q14.3@201.244,-60.837 203.45,-60.837 215.646,-48.641 228.981,-48.641 264.795,-12.827 M4.2@270.256,-12.827
AL0: HIP1.13 R12.2 | length 70.3
  Top Layer w0.508: v1(144.145,62.484) 144.78,63.119 HIP1.13@145.775,63.119
  Bottom Layer w0.508: v1(144.145,62.484) 145.161,61.468 145.161,59.944 146.113,58.991 148.399,58.991 153.162,63.754 205.74,63.754 R12.2@207.518,61.976
AL1: HIP2.13 R32.2 | length 62.6
  Top Layer w0.508: HIP2.13@146.325,19.048 147.32,19.048 v1(147.955,18.413)
  Bottom Layer w0.508: v1(147.955,18.413) 148.973,19.431 205.867,19.431 R32.2@207.518,17.78
AL2: HIP3.13 R48.2 | length 62.8
  Top Layer w0.508: HIP3.13@146.325,-25.273 147.32,-25.273 v1(147.955,-25.908)
  Bottom Layer w0.508: v1(147.955,-25.908) 149.225,-24.638 205.613,-24.638 R48.2@207.518,-26.543
AL3: HIP4.13 R64.2 | length 63.4
  Top Layer w0.508: HIP4.13@146.325,-69.977 147.32,-69.977 v1(147.955,-70.612)
  Bottom Layer w0.508: v1(147.955,-70.612) 147.955,-70.104 149.352,-68.707 205.486,-68.707 R64.2@207.518,-70.739
ALI1: HIP1.6 R20.2 U2.6 | length 12.8
  Top Layer w0.508: v1(129.434,64.261) 130.069,64.896 R20.2@131.064,64.896 ; v1(134.62,65.024) 135.255,65.659 HIP1.6@136.25,65.659
  Bottom Layer w0.508: U2.6@127.825,63.754 128.927,63.754 v1(129.434,64.261) 129.434,65.299 130.175,66.04 133.94,66.04 134.62,65.36 v1(134.62,65.024)
ALI2: HIP2.6 R36.2 U4.6 | length 13.2
  Top Layer w0.508: v1(129.413,19.814) 129.918,20.319 R36.2@131.064,20.319 ; v1(134.62,20.953) 135.255,21.588 HIP2.6@136.25,21.588
  Bottom Layer w0.508: U4.6@127.825,19.05 128.649,19.05 v1(129.413,19.814) 129.413,21.336 130.173,22.096 133.477,22.096 v1(134.62,20.953)
ALI3: HIP3.6 R52.2 U6.6 | length 12.4
  Top Layer w0.508: v1(129.413,-24.888) 129.918,-24.383 R52.2@131.064,-24.383 ; v1(134.62,-23.368) 135.255,-22.733 HIP3.6@136.25,-22.733
  Bottom Layer w0.508: U6.6@127.825,-25.527 128.774,-25.527 v1(129.413,-24.888) 129.794,-24.507 129.794,-23.503 130.137,-23.16 130.137,-23.152 130.302,-22.987 134.112,-22.987 134.493,-23.368 v1(134.62,-23.368)
ALI4: HIP4.6 R68.2 U8.6 | length 12.5
  Top Layer w0.508: v1(129.413,-69.211) 129.425,-69.211 129.93,-68.706 R68.2@131.064,-68.706 ; v1(134.62,-68.072) 135.255,-67.437 HIP4.6@136.25,-67.437
  Bottom Layer w0.508: U8.6@127.825,-69.85 128.774,-69.85 v1(129.413,-69.211) 129.413,-68.326 130.556,-67.183 133.731,-67.183 v1(134.62,-68.072)
BH0: HIP1.20 R4.1 | length 29.9
  Top Layer w0.508: HIP1.20@146.325,72.009 147.32,72.009 v1(147.955,71.374)
  Bottom Layer w0.508: v1(147.955,71.374) 148.717,70.612 R4.1@175.641,70.612
BH1: HIP2.20 R24.1 | length 29.9
  Top Layer w0.508: HIP2.20@146.325,27.938 147.32,27.938 v1(147.955,27.303)
  Bottom Layer w0.508: v1(147.955,27.303) 174.754,27.303 R24.1@175.641,26.416
BH2: HIP3.20 R40.1 | length 30.4
  Top Layer w0.508: HIP3.20@146.325,-16.383 147.32,-16.383 v1(147.955,-17.018)
  Bottom Layer w0.508: v1(147.955,-17.018) 148.463,-16.51 174.244,-16.51 R40.1@175.641,-17.907
BH3: HIP4.20 R56.1 | length 29.7
  Top Layer w0.508: HIP4.20@146.325,-61.087 147.32,-61.087 v1(147.955,-61.722)
  Bottom Layer w0.508: v1(147.955,-61.722) 148.336,-62.103 R56.1@175.641,-62.103
BHS0: C7.2 HIP1.19 M1.1 Q1.3 Q3.2 | length 198.6
  Top Layer w0.508: C7.2@132.283,81.534 132.283,78.918 133.096,78.105 139.573,78.105 144.145,73.533 v1(144.145,71.374) 144.78,70.739 HIP1.19@145.775,70.739
  Top Layer w2.54: Q3.2@181.991,55.306 178.689,58.608 178.689,79.588 Q1.3@181.991,82.89
  Bottom Layer w0.508: v1(144.145,71.374) 145.161,72.39 167.513,72.39 178.013,82.89 Q1.3@181.991,82.89
  Bottom Layer w2.54: Q3.2@181.991,55.306 190.312,55.306 201.295,44.323 240.03,44.323 269.207,15.146 M1.1@270.256,15.146
BHS1: C9.2 HIP2.19 M2.1 Q5.3 Q7.2 | length 190.7
  Top Layer w0.508: v1(144.145,27.303) 144.78,26.668 HIP2.19@145.775,26.668
  Top Layer w2.54: Q7.2@181.991,11.037 178.435,14.593 178.435,35.065 Q5.3@181.991,38.621
  Bottom Layer w0.508: C9.2@130.048,37.185 134.265,37.185 137.414,34.036 137.414,29.972 140.083,27.303 v1(144.145,27.303) 145.163,28.321 171.691,28.321 Q5.3@181.991,38.621
  Bottom Layer w2.54: Q7.2@181.991,11.037 193.79,-0.762 259.715,-0.762 264.668,4.191 270.247,4.191 M2.1@270.256,4.182
BHS2: C14.2 HIP3.19 M3.1 Q9.3 Q11.2 | length 203.2
  Top Layer w0.508: v1(144.145,-17.018) 144.78,-17.653 HIP3.19@145.775,-17.653
  Top Layer w2.54: Q11.2@181.991,-33.231 178.562,-29.802 178.562,-9.076 Q9.3@181.991,-5.647
  Bottom Layer w0.508: C14.2@130.048,-7.084 131.798,-7.084 133.985,-9.271 133.985,-11.811 139.192,-17.018 v1(144.145,-17.018) 145.542,-15.621 172.017,-15.621 Q9.3@181.991,-5.647
  Bottom Layer w2.54: Q11.2@181.991,-33.231 193.337,-44.577 228.092,-44.577 265.886,-6.783 M3.1@270.256,-6.783
BHS3: C34.2 HIP4.19 M4.1 Q13.3 Q15.2 | length 230.2
  Top Layer w0.508: v1(144.42,-61.722) 145.055,-62.357 HIP4.19@146.05,-62.357
  Top Layer w2.54: Q15.2@181.991,-77.5 178.562,-74.071 178.562,-53.345 Q13.3@181.991,-49.916
  Bottom Layer w0.508: C34.2@130.048,-51.353 130.048,-53.848 136.525,-60.325 143.023,-60.325 v1(144.42,-61.722) 145.817,-60.325 171.582,-60.325 Q13.3@181.991,-49.916
  Bottom Layer w2.54: Q15.2@181.991,-77.5 184.628,-80.137 214.884,-80.137 218.567,-83.82 227.457,-83.82 231.14,-80.137 231.14,-77.851 237.363,-71.628 237.363,-44.831 264.447,-17.747 M4.1@270.256,-17.747
BL0: HIP1.18 R11.2 | length 53.4
  Top Layer w0.508: v1(144.145,68.834) 144.78,69.469 HIP1.18@145.775,69.469
  Bottom Layer w0.508: v1(144.145,68.834) 144.064,68.753 143.523,68.753 142.875,68.105 142.875,59.436 145.161,57.15 149.352,57.15 154.178,61.976 162.179,61.976 R11.2@175.641,48.514
BL1: HIP2.18 R31.2 | length 49.6
  Top Layer w0.508: v1(144.145,24.763) 144.78,25.398 HIP2.18@145.775,25.398
  Bottom Layer w0.508: v1(144.145,24.763) 142.875,23.493 142.875,16.637 144.272,15.24 147.701,15.24 149.098,16.637 163.322,16.637 R31.2@175.641,4.318
BL2: HIP3.18 R47.2 | length 55.8
  Top Layer w0.508: v1(143.891,-18.034) 144.78,-18.923 HIP3.18@145.775,-18.923
  Bottom Layer w0.508: v1(143.891,-18.034) 143.891,-19.812 142.367,-21.336 142.367,-27.051 144.018,-28.702 148.082,-28.702 150.241,-26.543 168.148,-26.543 171.577,-29.972 171.577,-35.941 R47.2@175.641,-40.005
BL3: HIP4.18 R63.2 | length 55.4
  Top Layer w0.508: v1(144.145,-64.262) 144.78,-63.627 HIP4.18@145.775,-63.627
  Bottom Layer w0.508: v1(144.145,-64.262) 143.938,-64.469 143.439,-64.469 142.748,-65.16 142.748,-71.755 144.653,-73.66 147.955,-73.66 151.003,-70.612 169.672,-70.612 172.593,-73.533 172.593,-81.28 R63.2@175.641,-84.328
BLI1: HIP1.5 R3.2 U1.6 | length 13.8
  Top Layer w0.508: v1(129.413,70.993) 129.918,71.498 R3.2@131.064,71.498 ; v1(134.62,66.294) 135.255,66.929 HIP1.5@136.25,66.929
  Bottom Layer w0.508: U1.6@127.825,70.612 129.032,70.612 v1(129.413,70.993) 130.302,70.993 131.445,69.85 131.445,67.818 132.461,66.802 134.112,66.802 v1(134.62,66.294)
BLI2: HIP2.5 R23.2 U3.6 | length 13.6
  Top Layer w0.508: v1(129.413,26.755) 129.918,27.26 R23.2@131.064,27.26 ; v1(134.62,22.223) 135.255,22.858 HIP2.5@136.25,22.858
  Bottom Layer w0.508: U3.6@127.825,26.543 129.201,26.543 v1(129.413,26.755) 131.995,26.755 133.096,25.654 133.096,23.747 v1(134.62,22.223)
BLI3: HIP3.5 R39.2 U5.6 | length 13.4
  Top Layer w0.508: v1(129.413,-17.949) 129.918,-17.443 R39.2@131.064,-17.443 ; v1(134.62,-22.098) 135.255,-21.463 HIP3.5@136.25,-21.463
  Bottom Layer w0.508: U5.6@127.825,-18.161 129.201,-18.161 v1(129.413,-17.949) 131.106,-17.949 132.842,-19.685 132.842,-21.463 133.477,-22.098 v1(134.62,-22.098)
BLI4: HIP4.5 R55.2 U7.6 | length 13.7
  Top Layer w0.508: v1(129.413,-62.272) 129.918,-61.766 R55.2@131.064,-61.766 ; v1(134.62,-66.802) 135.255,-66.167 HIP4.5@136.25,-66.167
  Bottom Layer w0.508: U7.6@127.825,-62.484 129.201,-62.484 v1(129.413,-62.272) 132.122,-62.272 133.223,-63.373 133.223,-65.405 v1(134.62,-66.802)
BOOT0: R102.2 U16.138 | length 19.7
  Top Layer w0.254: U16.138@87.579,14.941 96.164,6.356 v1(96.164,1.778)
  Bottom Layer w0.254: v1(96.164,1.778) 96.164,1.753 96.647,1.27 R102.2@98.933,1.27
BOOT1: R103.1 U16.48 | length 88.1
  Top Layer w0.254: v1(62.103,36.322) 62.663,36.322 U16.48@70.462,28.523
  Bottom Layer w0.254: v1(62.103,36.322) 61.468,36.322 54.991,29.845 54.991,24.638 60.833,18.796 70.739,18.796 78.486,11.049 78.486,-0.381 79.629,-1.524 R103.1@98.933,-1.524
"CH340 D+": U17.5 U18.3 | length 42.9
  Top Layer w0.254: U18.3@52.652,81.407 53.34,80.719 53.34,79.366 54.347,78.359 82.931,78.359 85.598,75.692 85.598,71.882 84.582,70.866 U17.5@82.995,70.866
"CH340 D-": U17.6 U18.2 | length 44.5
  Top Layer w0.254: U18.2@54.646,81.407 53.975,80.736 53.975,79.629 54.61,78.994 83.194,78.994 86.233,75.955 86.233,71.247 84.582,69.596 U17.6@82.995,69.596
ESPRXD: U16.69 U19.21 | length 165.9
  Top Layer w0.254: v1(38.354,9.906) 39.878,11.43 50.844,11.43 52.07,12.656 52.07,21.927 53.638,23.495 60.641,23.495 U16.69@63.037,21.098 ; v1(86.233,-74.422) 86.233,-74.676 86.836,-75.279 U19.21@87.991,-75.279
  Bottom Layer w0.254: v1(38.354,9.906) 38.43,9.982 38.43,-11.333 38.354,-11.409 38.354,-45.785 46.036,-53.467 84.517,-53.467 86.233,-55.183 v1(86.233,-74.422)
ESPTXD: U16.70 U19.22 | length 167.2
  Top Layer w0.254: v1(37.719,7.62) 37.719,7.838 38.771,8.89 49.149,8.89 52.578,12.319 52.578,21.717 53.848,22.987 60.442,22.987 U16.70@62.684,20.745 U16.70@62.863,20.565 ; v1(85.344,-74.549) 85.344,-75.692 86.931,-77.279 U19.22@87.991,-77.279
  Bottom Layer w0.254: v1(37.719,7.62) 37.719,-45.974 37.592,-46.101 45.72,-54.229 84.201,-54.229 85.471,-55.499 85.471,-74.422 v1(85.344,-74.549)
ESPVCC1: C57.2 C65.2 C66.2 R80.1 U11.1 U11.8 U13.2 | length 60.7
  Top Layer w0.635: v1(37.084,-57.404) 38.683,-59.003 U13.2@39.37,-59.003 64.134,-59.003 C57.2@68.377,-63.246 ; U11.1@65.171,-77.279 66.739,-77.279 68.326,-75.692 R80.1@68.326,-71.501 70.104,-69.723 70.104,-64.643 68.707,-63.246 C57.2@68.377,-63.246 ; U11.8@65.171,-63.279 68.344,-63.279 C57.2@68.377,-63.246
  Bottom Layer w0.635: v1(37.084,-57.404) C65.2@39.37,-59.69 C66.2@39.37,-62.357
ESPVCC2: C67.2 C68.2 C92.2 R99.1 U14.2 U19.1 U19.8 | length 62.9
  Top Layer w0.254: C92.2@109.347,-63.119 110.998,-64.77
  Top Layer w0.635: v1(78.232,-57.785) 79.534,-59.087 U14.2@80.327,-59.087 105.315,-59.087 C92.2@109.347,-63.119 ; U19.1@105.791,-77.279 107.379,-77.279 108.966,-75.692 R99.1@108.966,-72.644 110.998,-70.612 110.998,-65.1 C92.2@109.017,-63.119 108.857,-63.279 U19.8@105.791,-63.279
  Bottom Layer w0.635: v1(78.232,-57.785) 78.232,-57.937 C67.2@80.315,-60.02 80.37,-60.076 C68.2@80.37,-62.738